# Altium PCB carrier_pcb.PcbDoc (part 1 of 3)
Units mm, origin at the board's own origin, x right, y up, seen from the top; angles counter-clockwise.
Board outline 87.63 x 93.34 mm, 6 copper layers (Top, GND-1, Layer 1, Layer 2, GND-2, Bottom), stack 1.536 mm thick; 197 components, 115 nets, 788 pads, 714 vias.
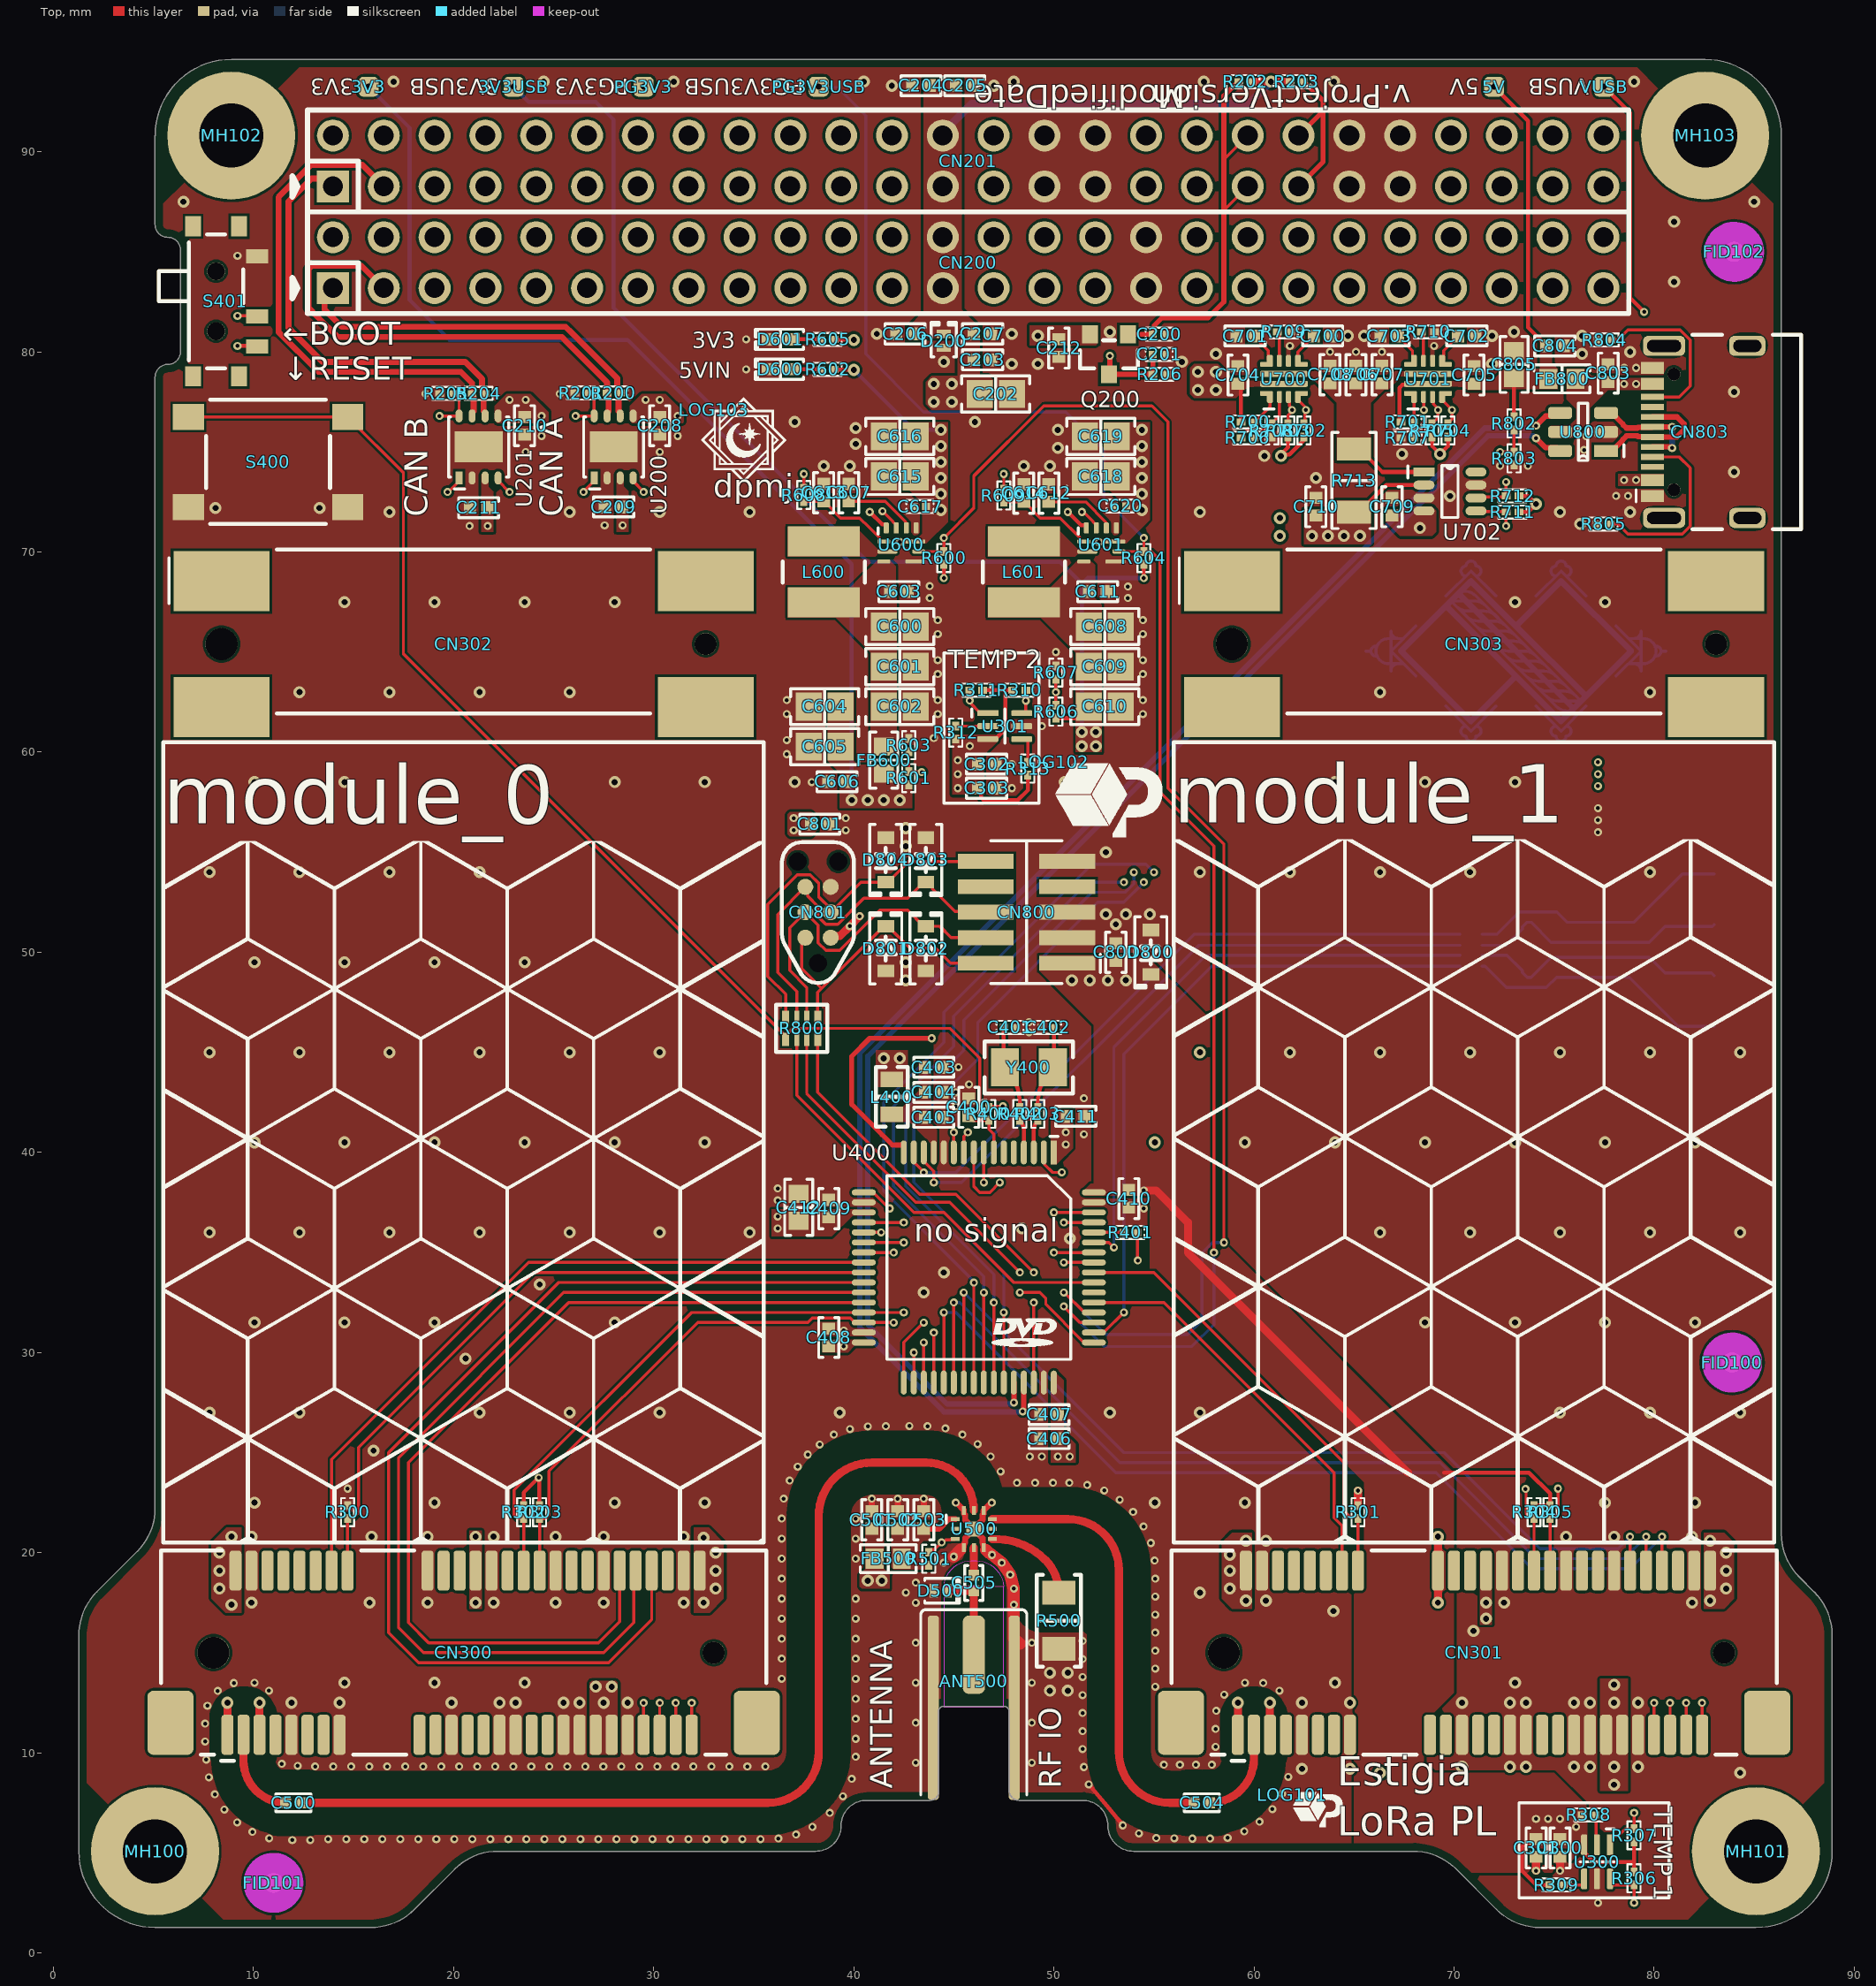
[diagram p0: Top view]
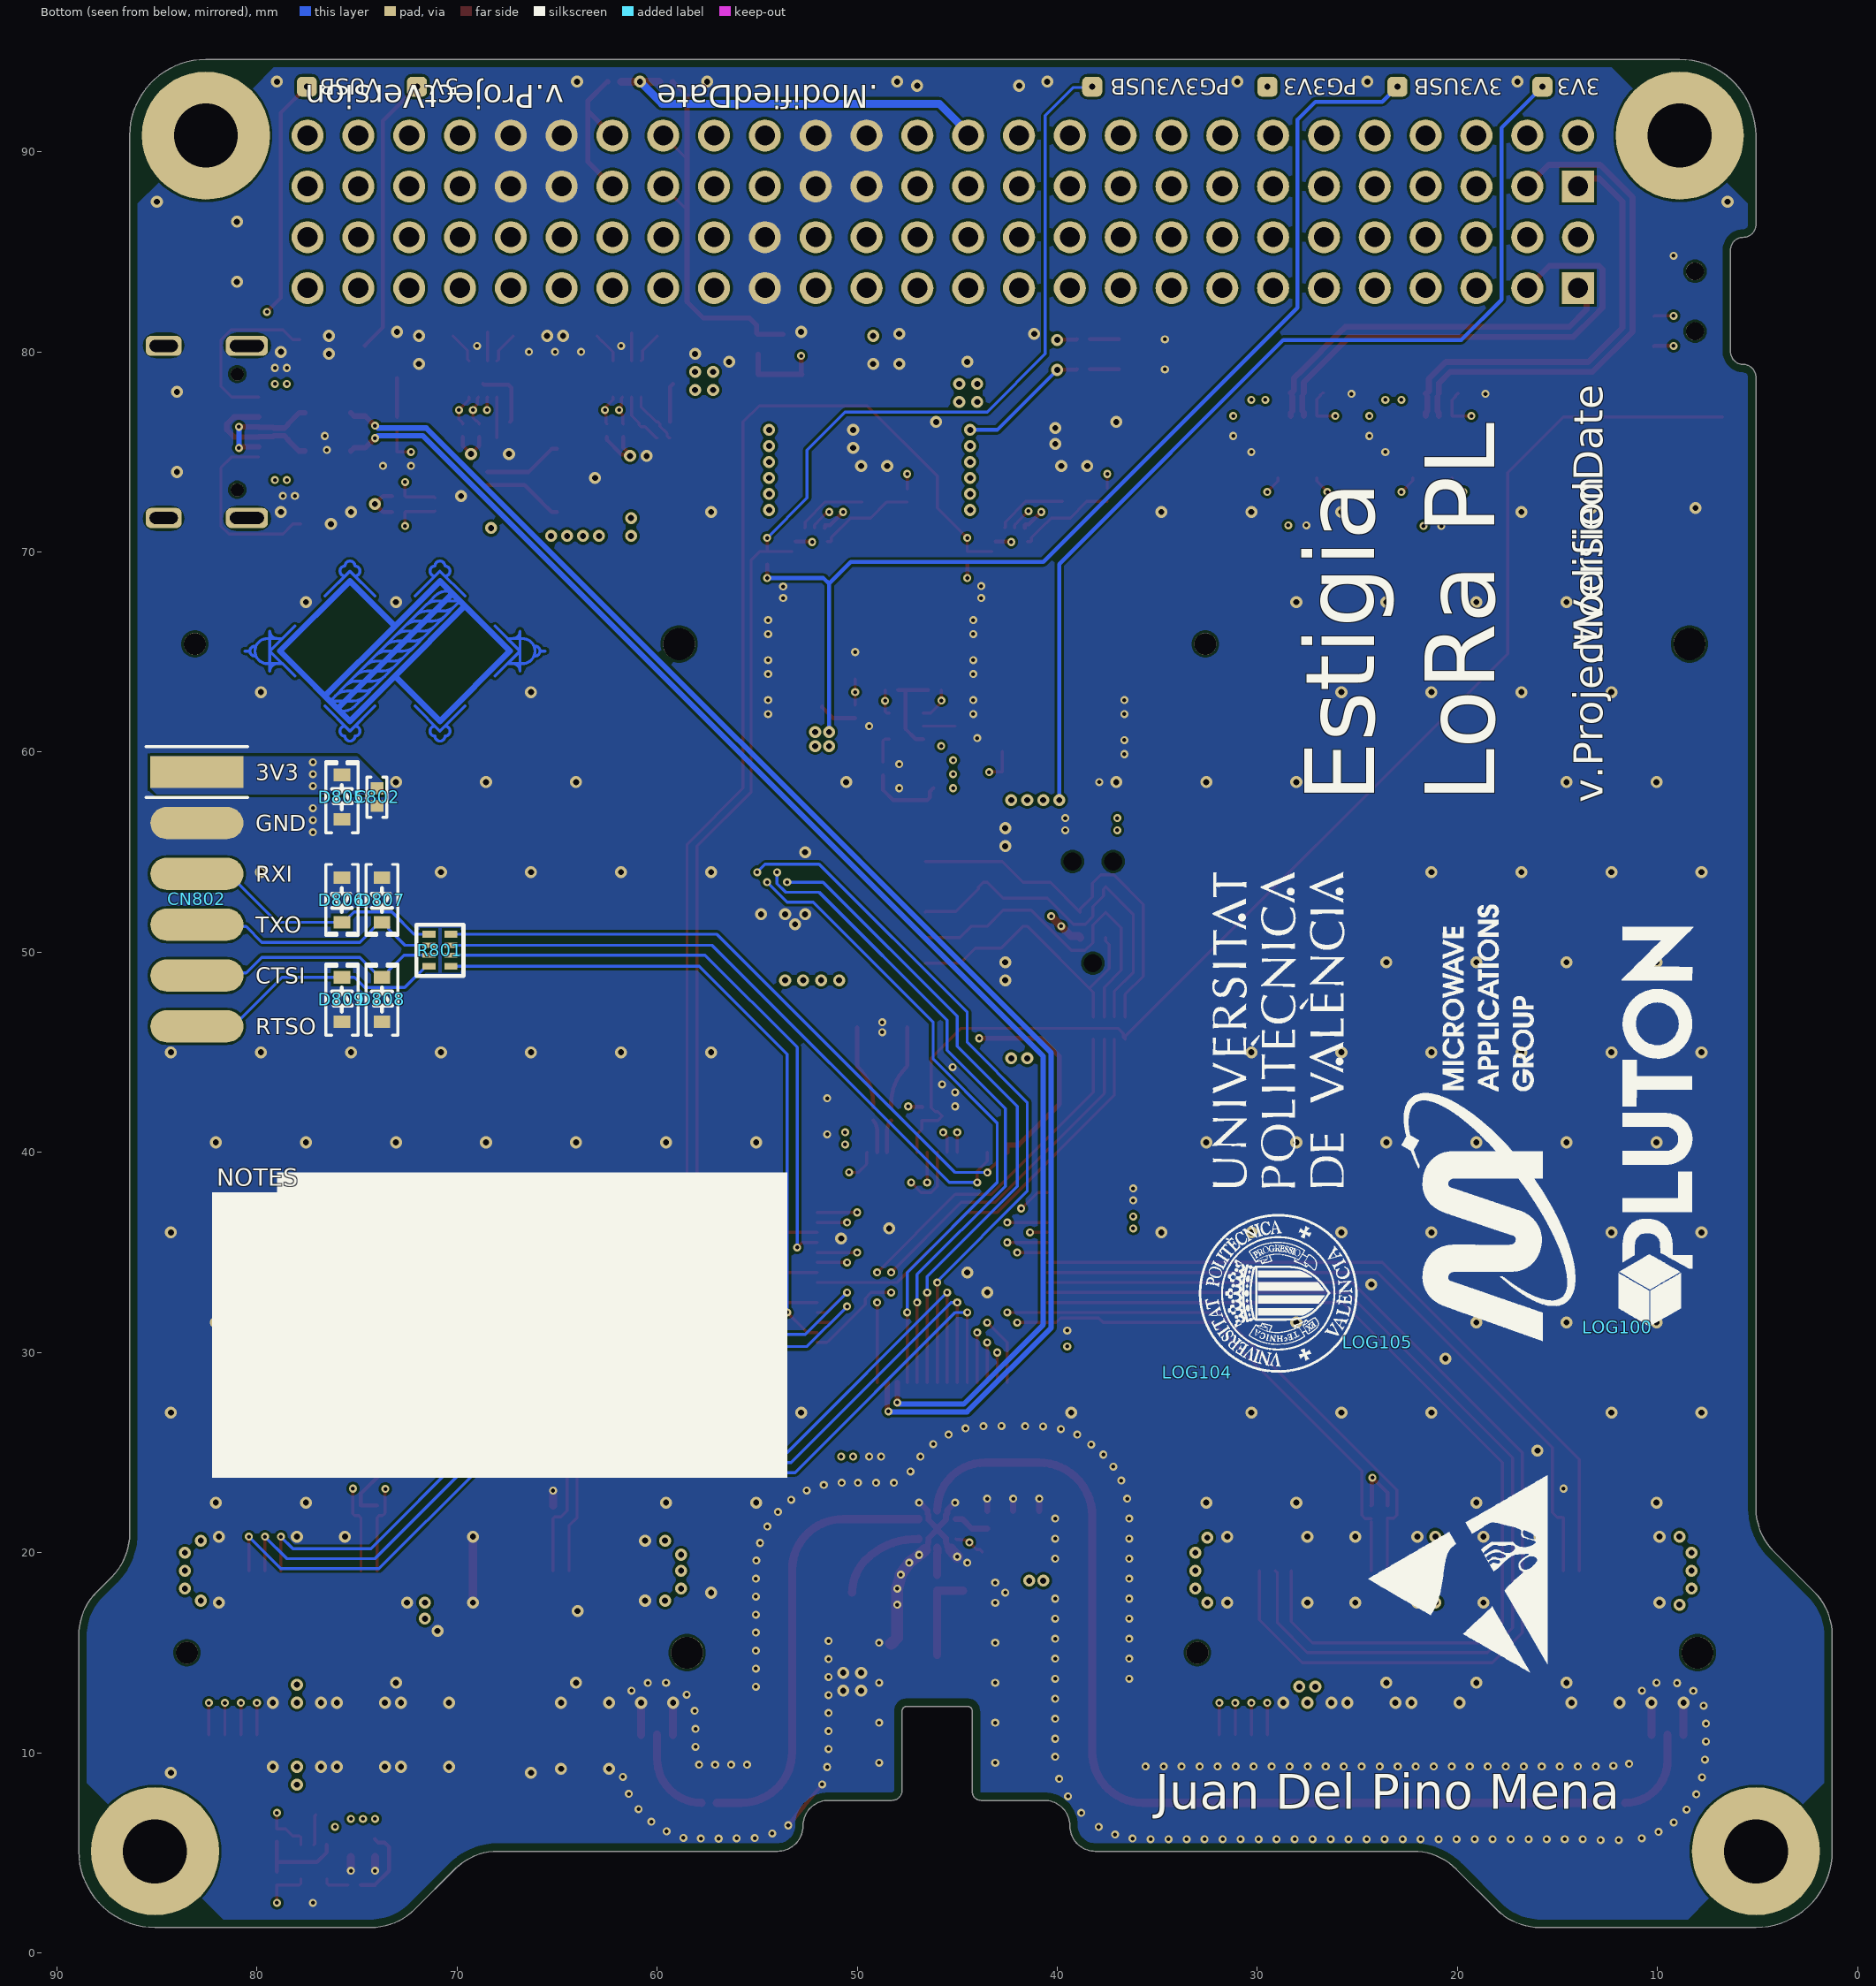
[diagram p1: Bottom view, seen from below]
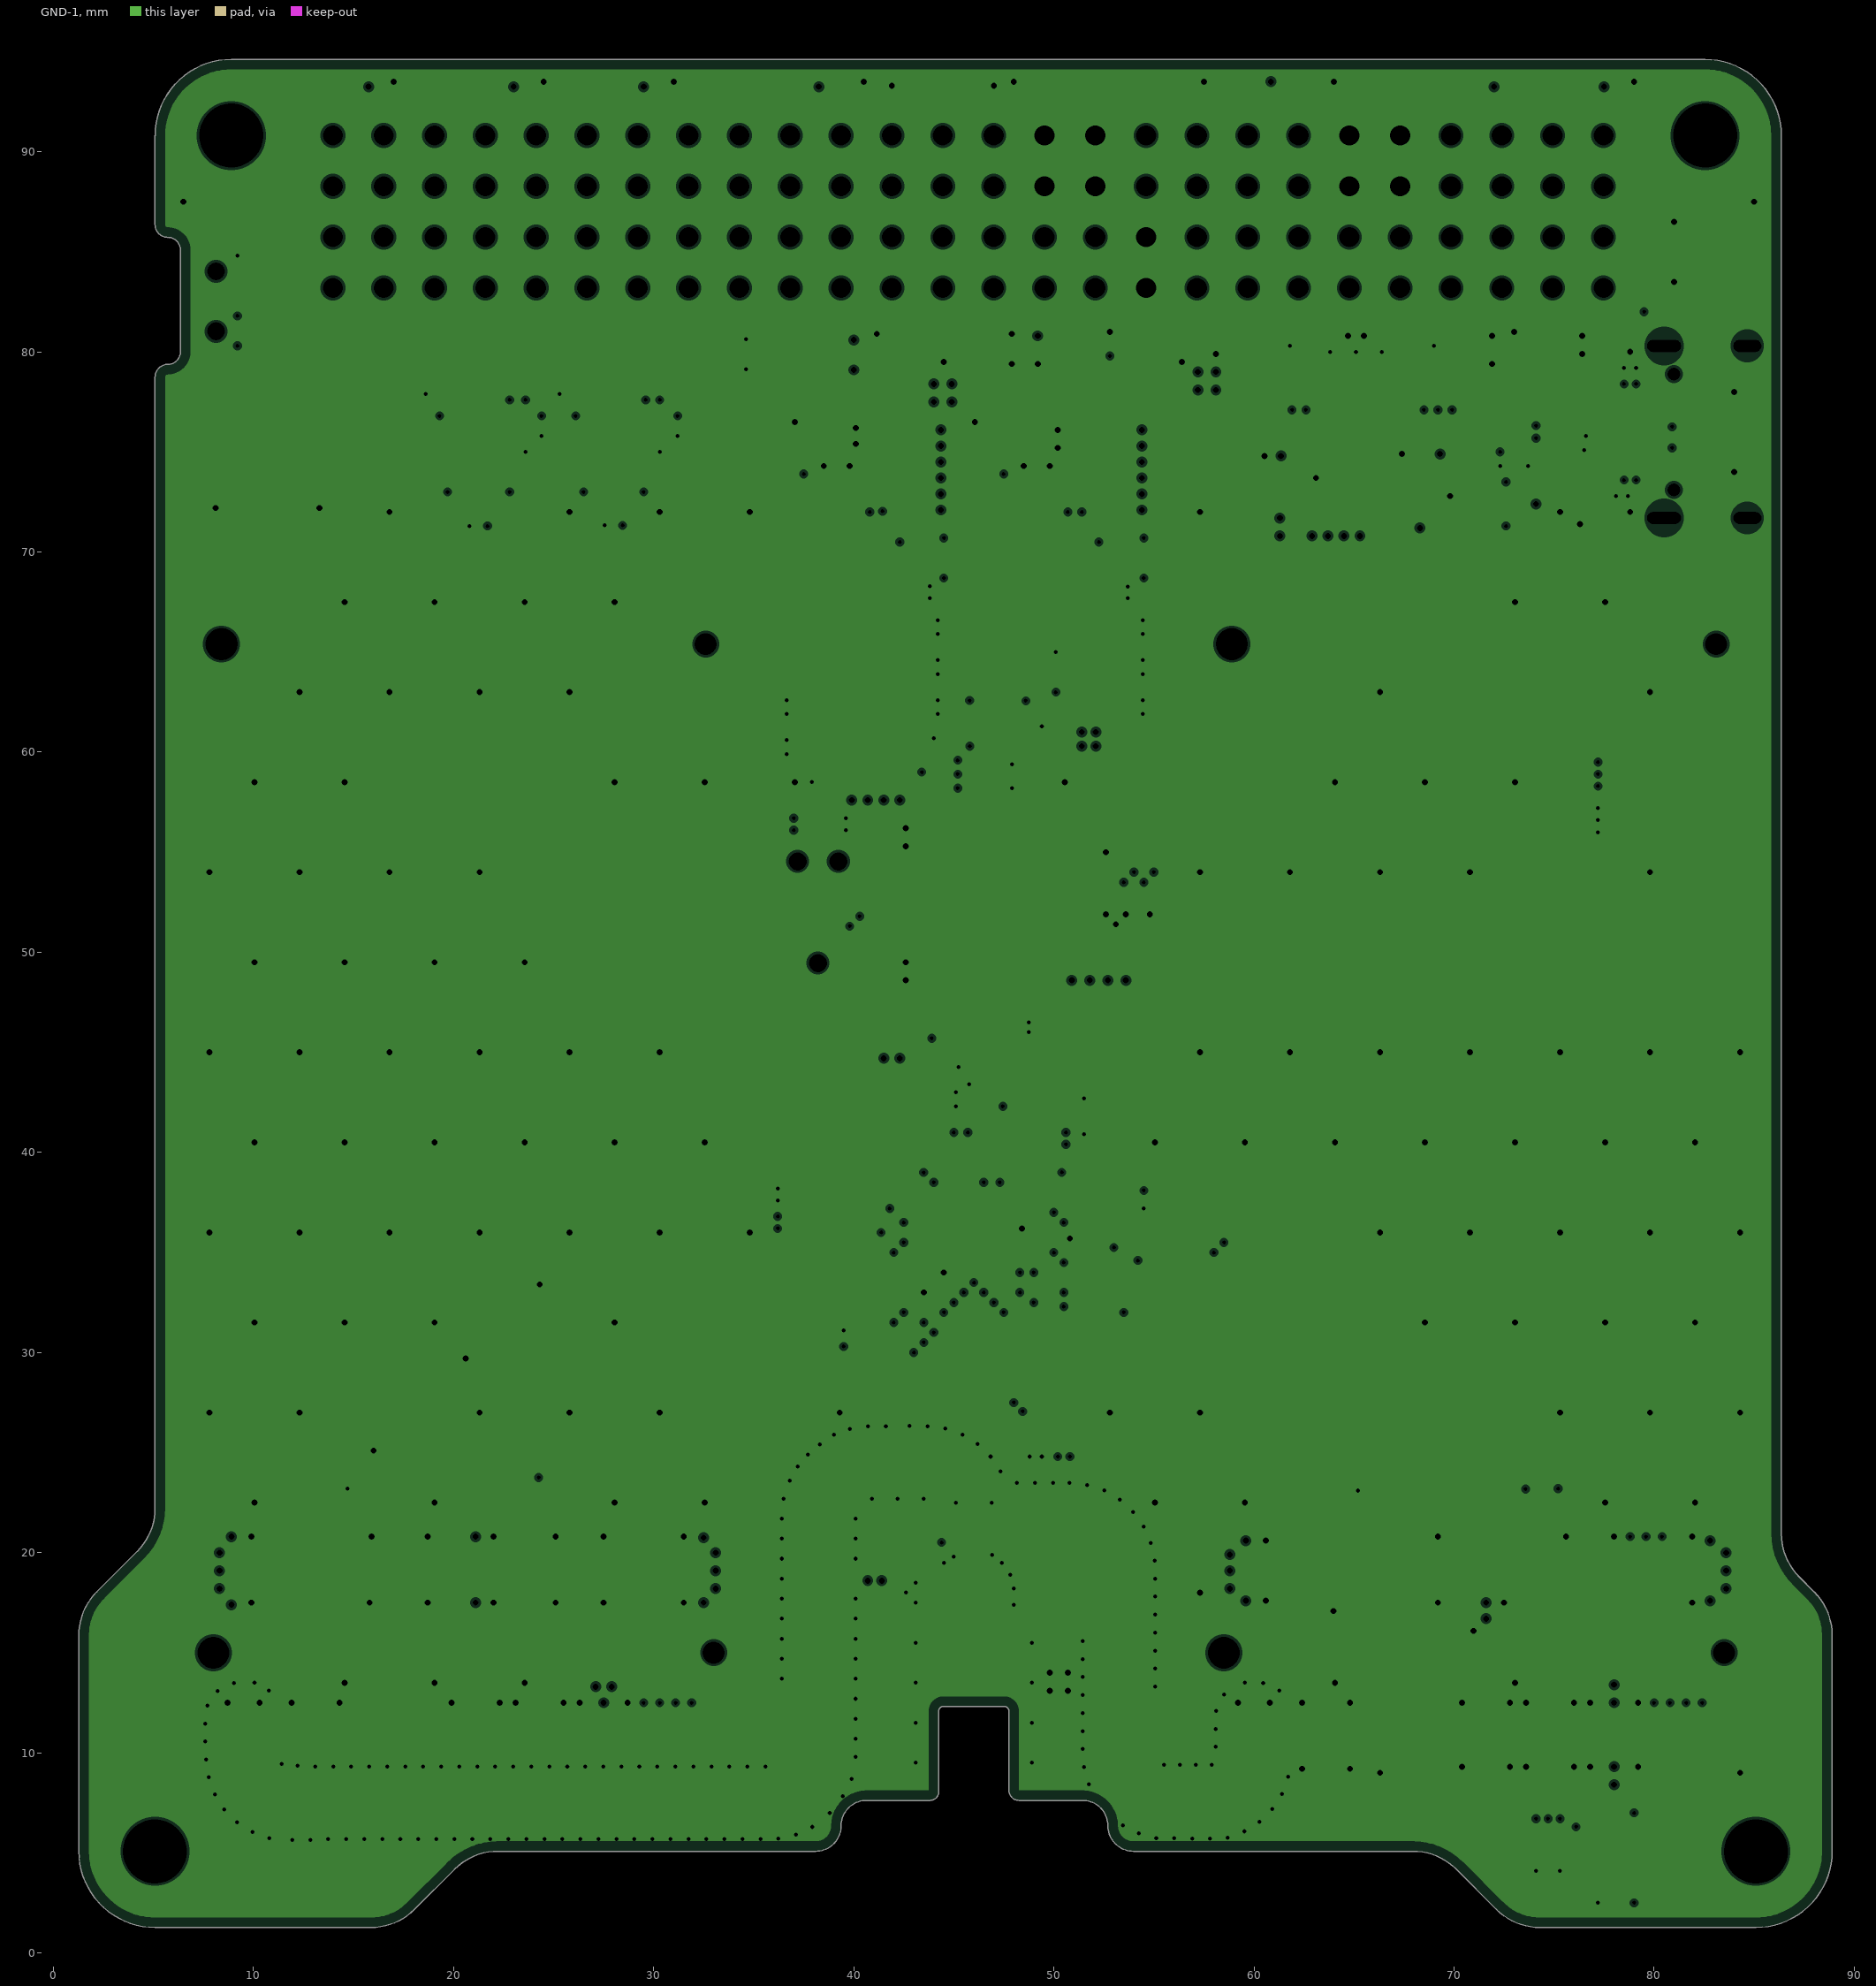
[diagram p2: GND-1, clearances drawn from the general rule]
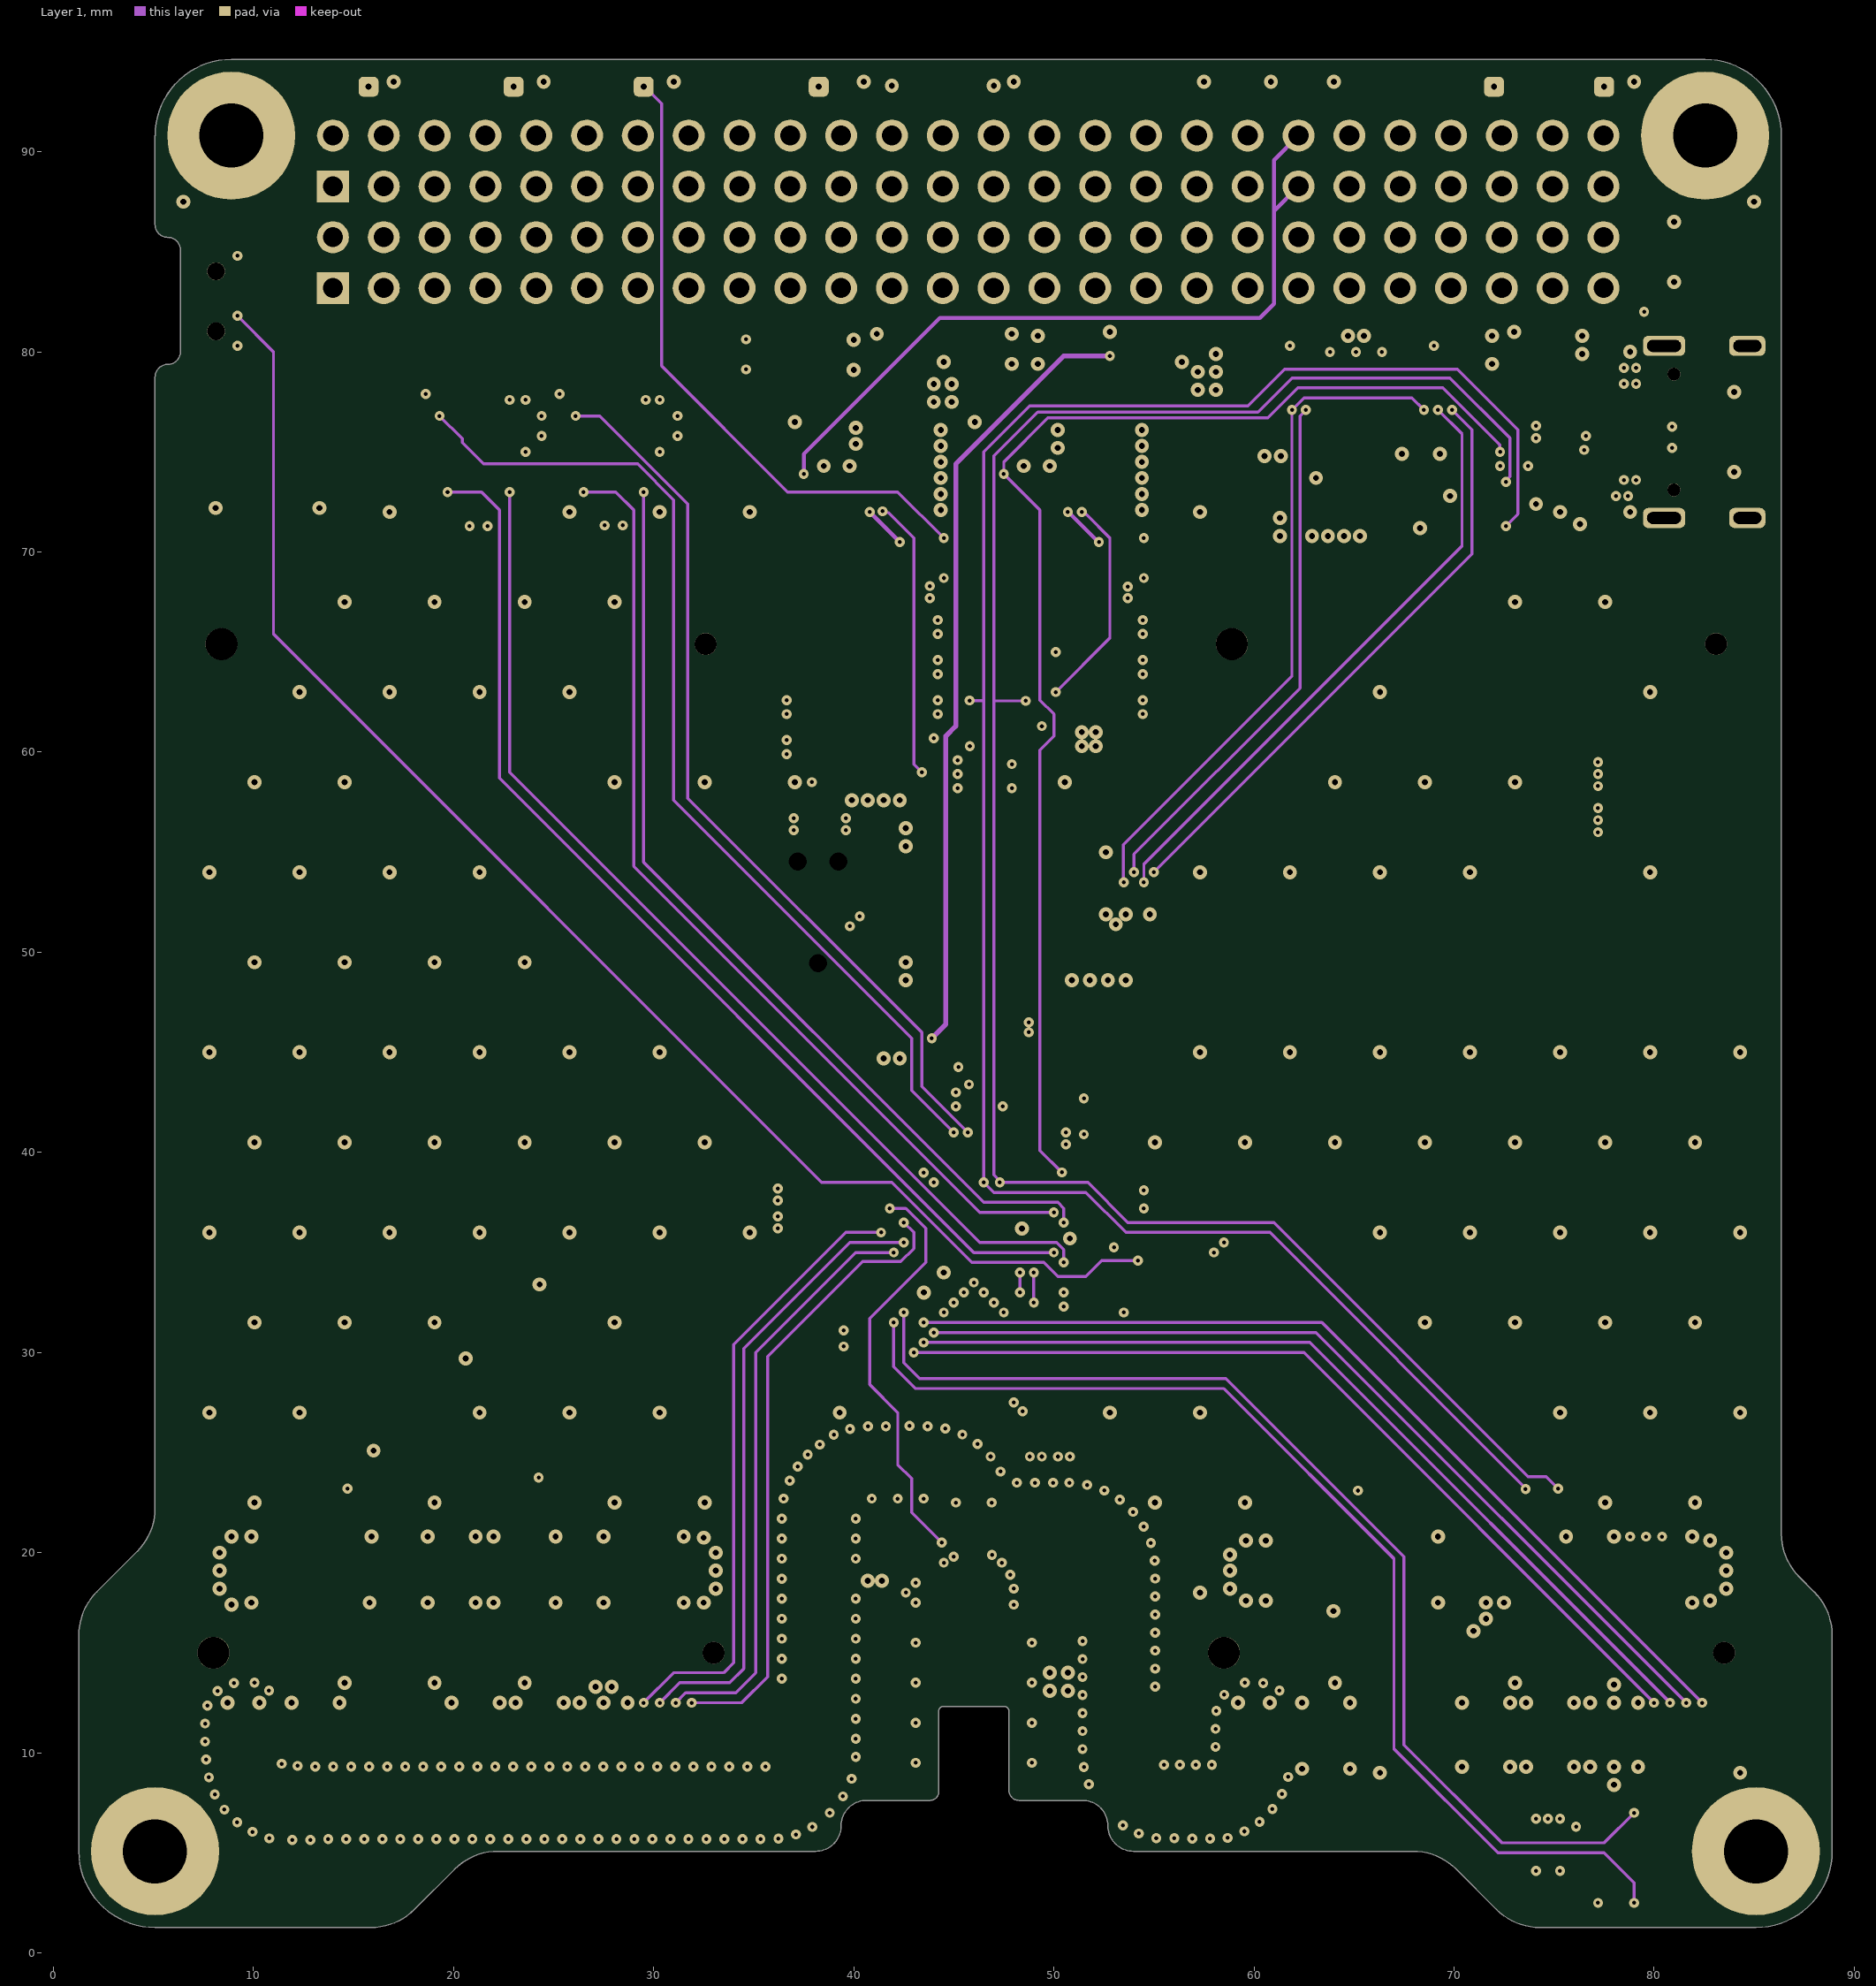
[diagram p3: Layer 1]